# Altium PCB Copy of STM32F103_扩展板.PcbDoc
Units mil, origin at the board's own origin, x right, y up, seen from the top; angles counter-clockwise.
Board outline 6903.02 x 6528.03 mil, 2 copper layers (Top Layer, Bottom Layer); 143 components, 183 nets, 486 pads, 270 vias.
Unrouted connection lines stored in the file: 5.
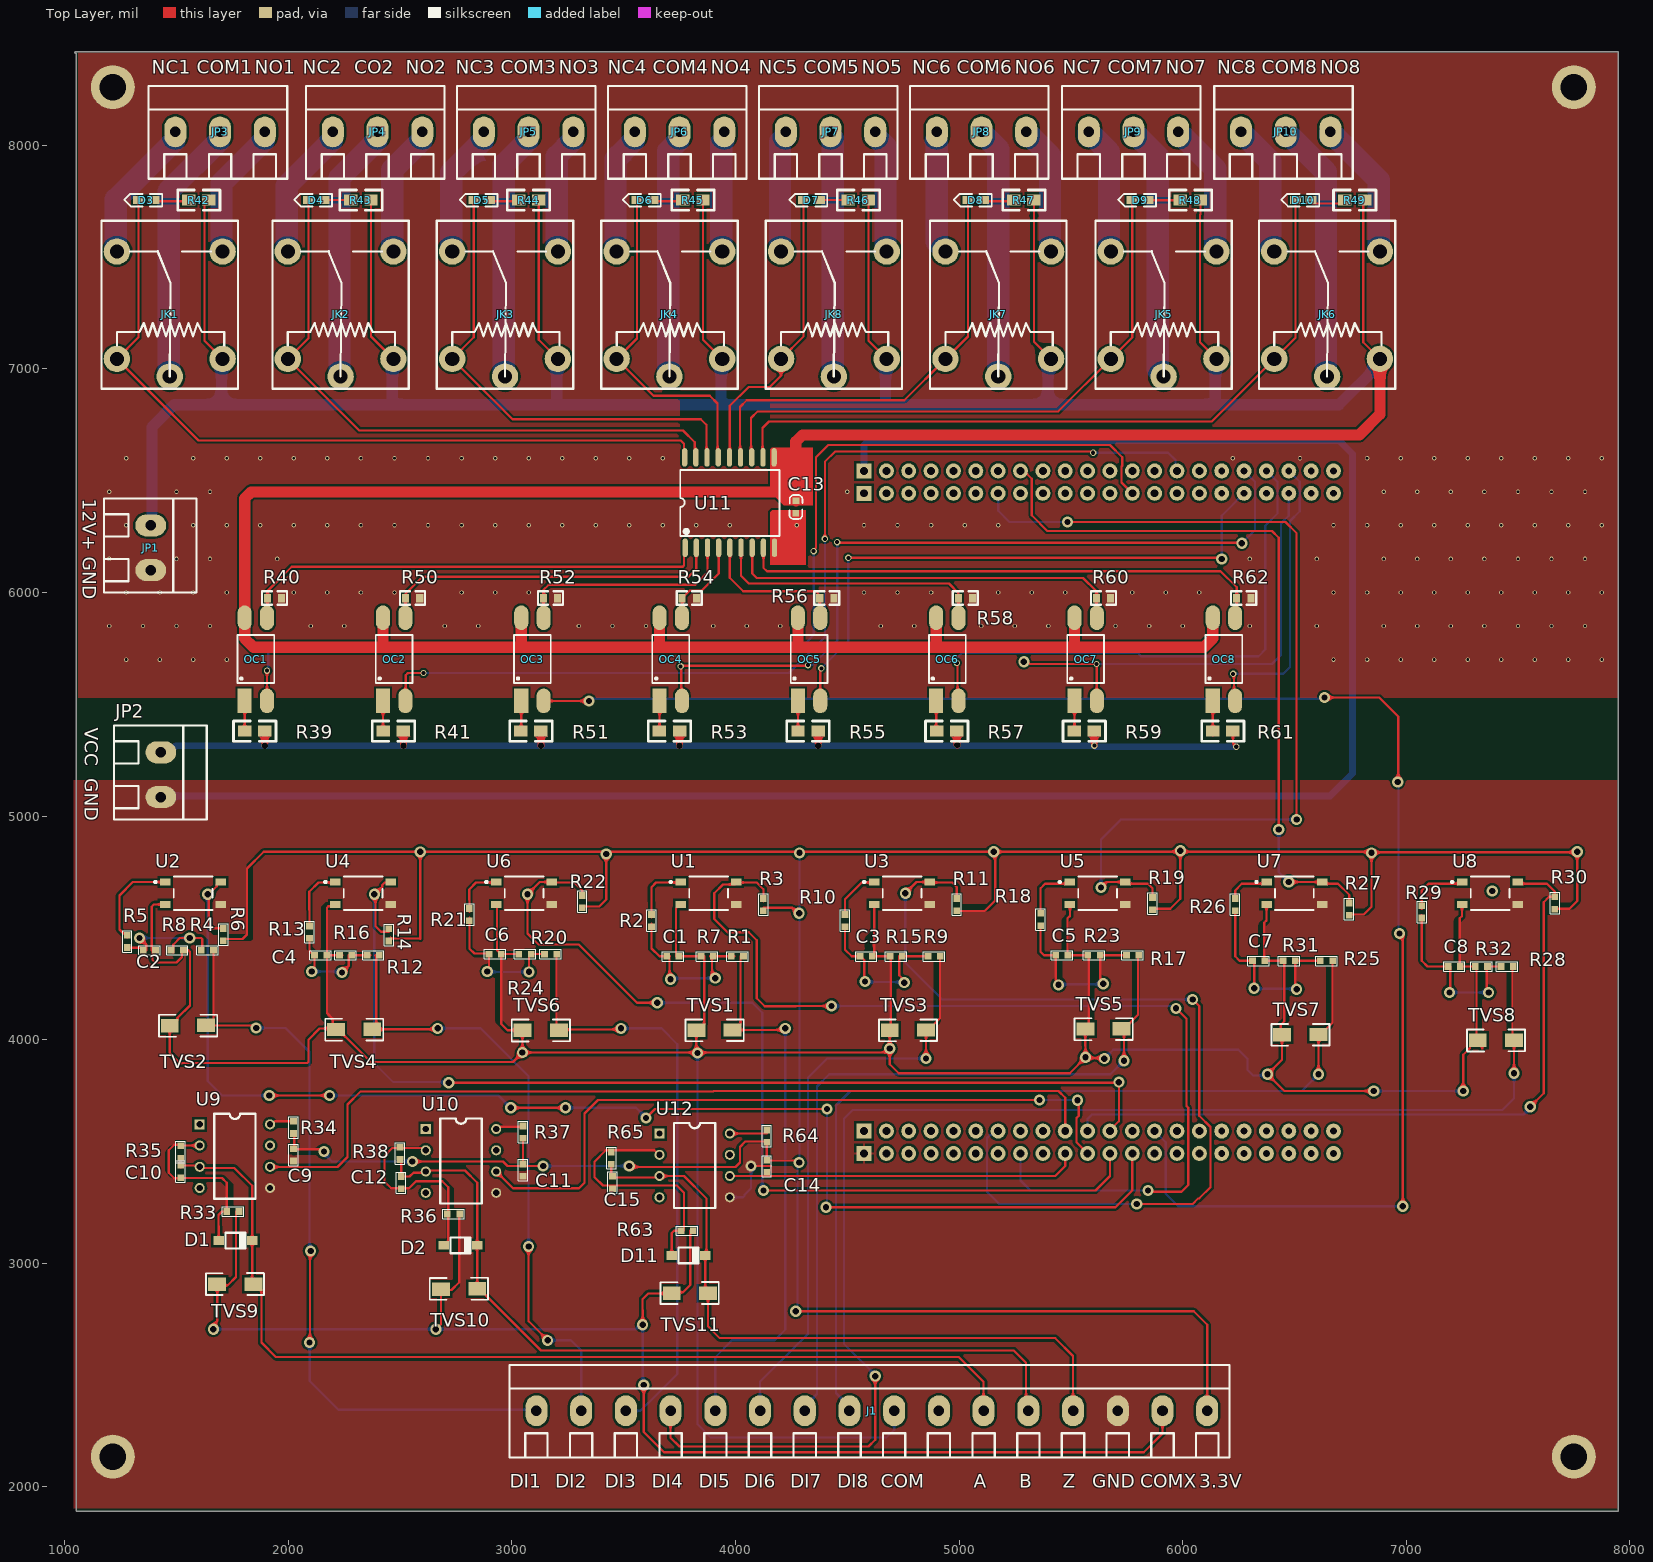
[diagram p0: Top Layer view]
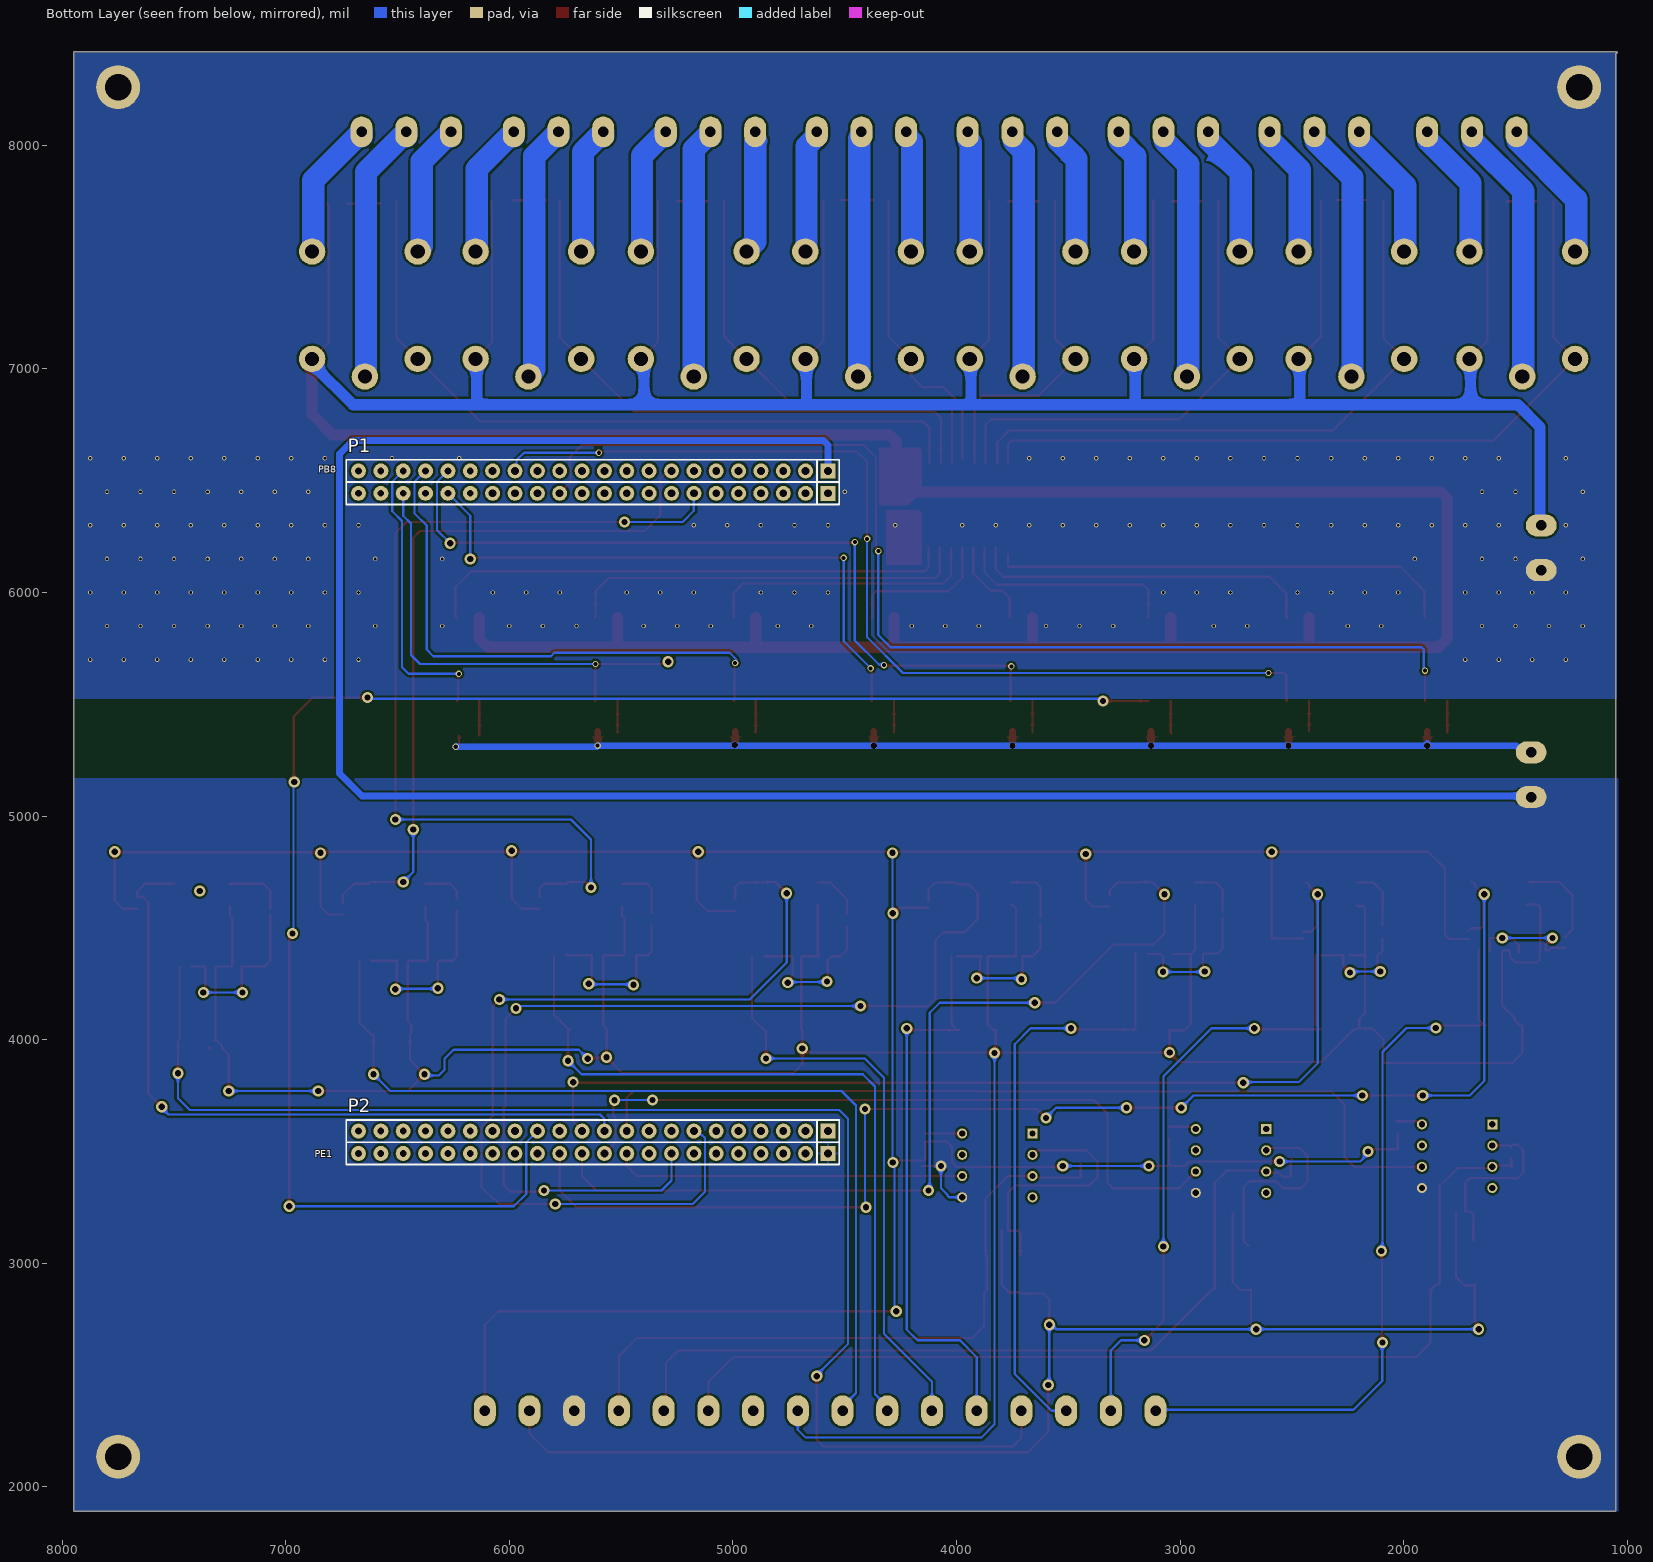
[diagram p1: Bottom Layer view, seen from below]

## Layer stack, top to bottom
Top Solder: solder mask 0.4, Solder Resist, Dk 3.5
Top Layer: signal copper 1.4
Dielectric 1: dielectric 12.6, FR-4, Dk 4.8
Bottom Layer: signal copper 1.4
Bottom Solder: solder mask 0.4, Solder Resist, Dk 3.5

## Board outline
1050.98,1895 1050.98,8410.98 1050,8410.98 cw(c1050,8415) 1050,8419.01 1055.07,8419.01 7945,8419.01 cw(c7945,8415) 7949.01,8415 7949.02,1895 cw(c7945,1895) 7945,1890.98 1055,1890.98 cw(c1055,1895)

## Design rules (kind name [scope] priority, off if disabled: settings)
Clearance Clearance_1 [InPolygon] p1 off: gap=0 ignorepadtopadclearanceinfootprint=FALSE
Clearance HV [InNamedPolygon('Bottom Layer-TOP')] p2 off: gap=10 ignorepadtopadclearanceinfootprint=FALSE except(0: Arc-Hole Track-Hole SMDPad-Hole THPad-Hole Via-Hole Fill-Hole Poly-Hole Region-Hole Text-Hole)
Clearance [All] p3: gap=10 ignorepadtopadclearanceinfootprint=FALSE except(0: Arc-Hole Track-Hole SMDPad-Hole THPad-Hole Via-Hole Fill-Hole Poly-Hole Region-Hole Text-Hole; 6: Arc-SMDPad Track-SMDPad SMDPad-SMDPad)
HoleSize [All] p1: absolutevalues=TRUE maxlimit=248.03 minlimit=7.87 maxpercent=80.000 minpercent=20.000
MinimumSolderMaskSliver [All] p1: minsoldermaskwidth=8
PolygonConnect [HasFootprint('HDR2.54-F-44P')] p1: connectstyle=Relief reliefconductorwidth=10 reliefentries=4 polygonreliefangle="90 Angle" airgapwidth=10
PolygonConnect PolygonConnect_2 [All vs IsNamedPolygon('Top Layer-UP')] p2: connectstyle=Direct reliefconductorwidth=10 reliefentries=4 polygonreliefangle="90 Angle" airgapwidth=10
PolygonConnect 01 [All vs IsNamedPolygon('Top Layer-DOWN')] p3 off: thpad.connectstyle=Relief thpad.reliefconductorwidth=10 thpad.reliefentries=4 thpad.polygonreliefangle="90 Angle" thpad.airgapwidth=10 smdpad.connectstyle=Relief smdpad.reliefconductorwidth=10 smdpad.reliefentries=4 smdpad.polygonreliefangle="90 Angle" smdpad.airgapwidth=10 via.connectstyle=Direct via.reliefconductorwidth=10 via.reliefentries=4 via.polygonreliefangle="90 Angle" via.airgapwidth=10
RoutingVias [All] p1: holewidth=28 width=50 viastyle="Through Hole" minholewidth=28 minwidth=50 maxholewidth=28 maxwidth=50
SilkToSilkClearance [All] p1: silktosilkclearance=0
SilkToSolderMaskClearance [IsPad] p1: minsilkscreentomaskgap=0 clearancetoexposedcopper=TRUE
SolderMaskExpansion [All] p1: expansion=4 istentingtop=FALSE
UnRoutedNet [All] p1: checkbadconnections=TRUE
Width [All] p1: maxlimit=500 minlimit=10 preferedwidth=10
25 further rules are at their usual default settings.

## Classes and differential pairs
component class Designator: C13 D3 D4 D5 D6 D7 D8 D9 D10 JK1 JK2 JK3 JK4 JK5 JK6 JK7 JK8 JP1 JP2 JP3 JP4 JP5 JP6 JP7 JP8 JP9 JP10 OC1 OC2 OC3 OC4 OC5 OC6 OC7 OC8 P? R39 R40 R41 R42 R43 R44 R45 R46 R47 R48 R49 R50 R51 R52 R53 R54 R55 R56 R57 R58 R59 R60 R61 R62 U11

## Components (designator, comment, footprint, x,y, rotation, side; value= is the part's Value field where it differs from the comment)
C1 "104" 0603_R 3720,4372.47 r0 top
C2 "104" 0603_R 1378.41,4400 r0 top
C3 "104" 0603_R 4585,4372.47 r0 top
C4 "104" 0603_R 2145,4377.47 r0 top
C5 "104" 0603_R 5460,4377.47 r0 top
C6 "104" 0603_R 2925,4382.47 r0 top
C7 "104" 0603_R 6340,4352.47 r0 top
C8 "104" 0603_R 7215,4327.47 r0 top
C9 "104" 0603_R 2023.71,3485.07 r270 top
C10 "102" 0603_R 1518.71,3410.07 r90 top
C11 "104" 0603_R 3050,3416.22 r270 top
C12 "102" 0603_R 2505,3360 r90 top
C13 "100nF" 0603C 4269.65,6354.79 r90 top value=104
C14 "104" 0603_R 4140,3433.78 r270 top
C15 "102" 0603_R 3450,3361.22 r90 top
D1 "DIODE" SOD-123 1763.71,3101.29 r180 top
D2 "DIODE" SOD-123 2770,3080 r180 top
D3 "LED" LED-0603G 1400,7755 r180 top
D4 "LED" LED-0603G 2160,7755 r180 top
D5 "LED" LED-0603G 2900,7755 r180 top
D6 "LED" LED-0603G 3630,7755 r180 top
D7 "LED" LED-0603G 4375,7755 r180 top
D8 "LED" LED-0603G 5110,7755 r180 top
D9 "LED" LED-0603G 5845,7755 r180 top
D10 "LED" LED-0603G 6575,7755 r180 top
D11 "DIODE" SOD-123 3790,3035 r180 top
J1 "PIN16" KF128-5.08-16P 4610,2340 r0 top locked
JK1 "SRD-05VDC-SL-C" SRD-C_B 1233.66,7044.69 r90 top
JK2 "SRD-05VDC-SL-C" SRD-C_B 1997.92,7044.69 r90 top
JK3 "SRD-05VDC-SL-C" SRD-C_B 2733.28,7044.69 r90 top
JK4 "SRD-05VDC-SL-C" SRD-C_B 3468.64,7044.69 r90 top
JK5 "SRD-05VDC-SL-C" SRD-C_B 5678.96,7044.69 r90 top
JK6 "SRD-05VDC-SL-C" SRD-C_B 6410.08,7044.69 r90 top
JK7 "SRD-05VDC-SL-C" SRD-C_B 4939.36,7044.69 r90 top
JK8 "SRD-05VDC-SL-C" SRD-C_B 4204,7044.69 r90 top
JP1 "HF9500*2" KF128-5.08-2P 1385,6300 r270 top
JP2 "HF9500*2" KF128-5.08-2P 1430,5285 r270 top
JP3 "KF128-5.08-3P" KF128-5.08-3P 1495,8060 r0 top
JP4 "KF128-5.08-3P" KF128-5.08-3P 2199.26,8060 r0 top
JP5 "KF128-5.08-3P" KF128-5.08-3P 2874.62,8060 r0 top
JP6 "KF128-5.08-3P" KF128-5.08-3P 3549.98,8060 r0 top
JP7 "KF128-5.08-3P" KF128-5.08-3P 4225.34,8060 r0 top
JP8 "KF128-5.08-3P" KF128-5.08-3P 4900.7,8060 r0 top
JP9 "KF128-5.08-3P" KF128-5.08-3P 5580.3,8060 r0 top
JP10 "KF128-5.08-3P" KF128-5.08-3P 6261.18,8060 r0 top
OC1 "EL817A" SMD_PC817 1805,5515 r90 top
OC2 "EL817A" SMD_PC817 2423.57,5515 r90 top
OC3 "EL817A" SMD_PC817 3042.14,5515 r90 top
OC4 "EL817A" SMD_PC817 3660.71,5515 r90 top
OC5 "EL817A" SMD_PC817 4279.29,5515 r90 top
OC6 "EL817A" SMD_PC817 4897.86,5515 r90 top
OC7 "EL817A" SMD_PC817 5516.43,5515 r90 top
OC8 "EL817A" SMD_PC817 6135,5515 r90 top
P1 "H22x2" HDR2.54-F-44P 4525,6593.74 r0 bottom
P2 "H22x2" HDR2.54-F-44P 4525,3640.98 r0 bottom locked
R1 "2K" 0603_R 4008.78,4372.47 r180 top
R2 "510" 0603_R 3625,4532.47 r90 top
R3 "10K" 0603_R 4125,4603.69 r90 top
R4 "2K" 0603_R 1638.41,4400 r180 top
R5 "510" 0603_R 1279.63,4440 r90 top
R6 "10K" 0603_R 1709.63,4470 r90 top
R7 "10K" 0603_R 3873.78,4372.47 r0 top
R8 "10K" 0603_R 1503.41,4400 r180 top
R9 "2K" 0603_R 4888.78,4372.47 r180 top
R10 "510" 0603_R 4490,4532.47 r90 top
R11 "10K" 0603_R 4990,4603.69 r90 top
R12 "2K" 0603_R 2380,4377.47 r180 top
R13 "510" 0603_R 2095,4481.25 r90 top
R14 "10K" 0603_R 2450,4468.69 r90 top
R15 "10K" 0603_R 4718.78,4372.47 r0 top
R16 "10K" 0603_R 2256.22,4377.47 r0 top
R17 "2K" 0603_R 5776.22,4377.47 r180 top
R18 "510" 0603_R 5365,4537.47 r90 top
R19 "10K" 0603_R 5865,4608.69 r90 top
R20 "2K" 0603_R 3173.78,4382.47 r180 top
R21 "510" 0603_R 2810,4558.69 r90 top
R22 "10K" 0603_R 3315,4617.47 r90 top
R23 "10K" 0603_R 5603.78,4377.47 r0 top
R24 "10K" 0603_R 3058.78,4382.47 r0 top
R25 "2K" 0603_R 6643.78,4352.47 r180 top
R26 "510" 0603_R 6235,4603.69 r90 top
R27 "10K" 0603_R 6745,4583.69 r90 top
R28 "2K" 0603_R 7451.22,4327.47 r180 top
R29 "510" 0603_R 7070,4571.25 r90 top
R30 "10K" 0603_R 7665,4611.25 r90 top
R31 "10K" 0603_R 6476.22,4352.47 r0 top
R32 "10K" 0603_R 7336.22,4327.47 r0 top
R33 "2K" 0603_R 1752.49,3231.29 r0 top
R34 "470" 0603_R 2023.71,3607.51 r90 top
R35 "2K" 0603_R 1518.71,3497.51 r90 top
R36 "2K" 0603_R 2738.78,3220 r0 top
R37 "470" 0603_R 3050,3586.22 r90 top
R38 "2K" 0603_R 2500,3491.22 r90 top
R39 "500R" 0805R 1795,5380 r0 top value=1K
R40 "4.7K" 0603R 1907.01,5975 r0 top value=1K
R41 "500R" 0805R 2415,5380 r0 top value=1K
R42 "680R" 0805R 1655,7755 r180 top value=1K
R43 "680R" 0805R 2380,7755 r180 top value=1K
R44 "680R" 0805R 3130,7755 r180 top value=1K
R45 "680R" 0805R 3865,7755 r180 top value=1K
R46 "680R" 0805R 4605,7755 r180 top value=1K
R47 "680R" 0805R 5345,7755 r180 top value=1K
R48 "680R" 0805R 6090,7755 r180 top value=1K
R49 "680R" 0805R 6825,7755 r180 top value=1K
R50 "4.7K" 0603R 2525,5975 r0 top value=1K
R51 "500R" 0805R 3030,5380 r0 top value=1K
R52 "4.7K" 0603R 3142.01,5975 r0 top value=1K
R53 "500R" 0805R 3650,5380 r0 top value=1K
R54 "4.7K" 0603R 3762.01,5975 r0 top value=1K
R55 "500R" 0805R 4270,5380 r0 top value=1K
R56 "4.7K" 0603R 4377.01,5975 r0 top value=1K
R57 "500R" 0805R 4890,5380 r0 top value=1K
R58 "4.7K" 0603R 4997.01,5975 r0 top value=1K
R59 "500R" 0805R 5505,5380 r0 top value=1K
R60 "4.7K" 0603R 5615,5975 r0 top value=1K
R61 "500R" 0805R 6125,5380 r0 top value=1K
R62 "4.7K" 0603R 6242.01,5975 r0 top value=1K
R63 "2K" 0603_R 3783.78,3145 r0 top
R64 "470" 0603_R 4140,3568.78 r90 top
R65 "2K" 0603_R 3445,3470 r90 top
TVS1 "" TVS 4037,3993.47 r180 top
TVS2 "" TVS 1682,4014 r180 top
TVS3 "" TVS 4902,3993.47 r180 top
TVS4 "" TVS 2424.93,3996.47 r180 top
TVS5 "" TVS 5777,3998.47 r180 top
TVS6 "" TVS 3259.56,3992.96 r180 top
TVS7 "" TVS 6657,3973.47 r180 top
TVS8 "" TVS 7532,3948.47 r180 top
TVS9 "" TVS 1631.71,2955.29 r0 top
TVS10 "" TVS 2633,2934 r0 top
TVS11 "" TVS 3665.44,2914.51 r0 top
U1 "TLP181(GB)" FP-11-4C1-MFG 3880,4655 r0 top
U2 "TLP181(GB)" FP-11-4C1-MFG 1574.63,4655 r0 top
U3 "TLP181(GB)" FP-11-4C1-MFG 4745,4655 r0 top
U4 "TLP181(GB)" FP-11-4C1-MFG 2335,4655 r0 top
U5 "TLP181(GB)" FP-11-4C1-MFG 5620,4655 r0 top
U6 "TLP181(GB)" FP-11-4C1-MFG 3055,4655 r0 top
U7 "TLP181(GB)" FP-11-4C1-MFG 6500,4655 r0 top
U8 "TLP181(GB)" FP-11-4C1-MFG 7375,4655 r0 top
U9 "PS8601" DIP8_8601 1603.71,3621.29 r0 top
U10 "PS8601" DIP8_8601 2615,3600 r0 top
U11 "ULN2803A" "SOP18 - 300mil" 3775,6198.19 r90 top
U12 "PS8601" DIP8_8601 3660,3580 r0 top

## Footprints (in the part's own frame and the unit in brackets; to place one, negate y for a bottom-side part, rotate by r counter-clockwise, add the part's x,y. Pads: shape width x height; smd on the part's side, far side on the other; paste and mask are expansions set on the pad)
0603_R [mil]
  rect 30x30 smd: 1(-27.5,0) 2(27.5,0)
  silkscreen extent -48,-21 48,21, body extent -35,-15 35,15, height 24
0603C [mil]
  rect 30x30 smd: 1(0.21,-0.35) 2(55.21,-1.35)
  silkscreen extent -26,-30 81,28, body extent -1,-15 62,17, height 12
0603R [mm]
  rect 0.8x0.965 smd: 1(0,0) 2(1.6,0)
  silkscreen extent -0.64,-0.76 2.21,0.76, body extent -0.04,-0.41 1.56,0.41, height 0.45
0805R [mil]
  rect 60x50 smd: 1(10,0) 2(100,0)
  silkscreen extent -40,-45 150,45, body extent 11,-25 90,25, height 15
DIP8_8601 [mil]
  rect 45x45 hole 28: 1(0,0)
  round 45 hole 28: 2(0,-95) 3(0,-190) 4(0,-285) 5(315,-285) 6(315,-190) 7(315,-95) 8(315,0)
  silkscreen extent 65,-332 250,48
FP-11-4C1-MFG [mm]
  rect 1.2x0.8 smd paste+0 mask+0: 1(-3.15,1.27) 3(-3.15,-1.27) 4(3.15,-1.27) 6(3.15,1.27)
  silkscreen extent -4.42,-1.9 2.2,1.9, body extent -3.85,-2 3.85,2, height 0.25
HDR2.54-F-44P [mm]
  rect 1.7x1.7 hole 0.9: 1(1.27,3.81) 44(1.27,1.27)
  round 1.7 hole 0.9: 2(3.81,3.81) 3(6.35,3.81) 4(8.89,3.81) 5(11.43,3.81) 6(13.97,3.81) 7(16.51,3.81) 8(19.05,3.81) 9(21.59,3.81) 10(24.13,3.81) 11(26.67,3.81) 12(29.21,3.81) 13(31.75,3.81) 14(34.29,3.81) 15(36.83,3.81) 16(39.37,3.81) 29(39.37,1.27) 30(36.83,1.27) 31(34.29,1.27) 32(31.75,1.27) 33(29.21,1.27) 34(26.67,1.27) 35(24.13,1.27) 36(21.59,1.27) 37(19.05,1.27) 38(16.51,1.27) 39(13.97,1.27) 40(11.43,1.27) 41(8.89,1.27) 42(6.35,1.27) 43(3.81,1.27)
  round 1.7 hole 0.762: 17(41.91,3.81) 18(44.45,3.81) 19(46.99,3.81) 20(49.53,3.81) 21(52.07,3.81) 22(54.61,3.81) 23(54.61,1.27) 24(52.07,1.27) 25(49.53,1.27) 26(46.99,1.27) 27(44.45,1.27) 28(41.91,1.27)
  silkscreen extent 0,0 56.01,5.08, body extent 0,0 55.88,5.08, height 8.5
KF128-5.08-2P [mm] "螺钉式接线端子，脚距5.08mm"
  oval 2.5x3.5 hole 1.2: 1(0,0) 2(5.08,0)
  silkscreen extent -3.05,-5.31 7.62,5.21, body extent -3.05,-5.38 7.61,5.12, height 14.15
KF128-5.08-3P [mm] "螺钉式接线端子，脚距5.08mm"
  oval 2.5x3.5 hole 1.2: 1(0,0) 2(5.08,0) 3(10.16,0)
  silkscreen extent -3.05,-5.31 12.7,5.21, body extent -3.05,-5.38 12.69,5.12, height 14.15
KF128-5.08-16P [mm] "螺钉式接线端子，脚距5.08mm"
  oval 2.5x3.5 hole 1.2: 1(-38.1,0) 2(-33.02,0) 3(-27.94,0) 4(-22.86,0) 5(-17.78,0) 6(-12.7,0) 7(-7.62,0) 8(-2.54,0) 9(2.54,0) 10(7.62,0) 11(12.7,0) 12(17.78,0) 13(22.86,0) 14(27.94,0) 15(33.02,0) 16(38.1,0)
  silkscreen extent -41.15,-5.31 40.64,5.21, body extent -41.14,-5.3 40.64,5.2, height 14.15
LED-0603G [mil]
  rect 50x35 smd: 1(0,0.26) 2(70,0.26)
  silkscreen extent -36,-28 134,28, body extent 4,-15 66,17, height 24
SMD_PC817 [mm]
  rect 2.8x1.6 smd mask+0: 1(0,0)
  oval 2.8x1.6 smd mask+0: 2(0,-2.54) 3(9.452,-2.54) 4(9.452,0)
  silkscreen extent 2.03,-3.36 7.49,0.82, body extent -0.3,-3.56 9.7,1.02, height 3.85
SOD-123 [mm]
  rect 1.2x1 smd: 1(1.905,0) 2(-1.905,0)
  silkscreen extent -1.14,-0.89 1.14,0.89
"SOP18 - 300mil" [mm]
  oval 2.1x0.6 smd: 1(0.046,0) 2(0.046,-1.27) 3(0.046,-2.54) 4(0.046,-3.81) 5(0.046,-5.08) 6(0.046,-6.35) 7(0.046,-7.62) 8(0.046,-8.89) 9(0.046,-10.16) 10(10.317,-10.109) 11(10.317,-8.839) 12(10.317,-7.569) 13(10.317,-6.299) 14(10.317,-5.029) 15(10.317,-3.759) 16(10.317,-2.489) 17(10.317,-1.219) 18(10.317,0.051)
  silkscreen extent 1.4,-10.72 8.9,0.56
SRD-C_B [mm] "单刀双投"
  round 3 hole 1.6: 1(0,0) 2(0,-12) 3(-2,-6) 4(12.2,0) 5(12.2,-12)
  silkscreen extent -3.4,-13.75 15.7,1.75, body extent -3.33,-13.85 15.77,1.65, height 15.6
TVS [mil]
  rect 80x60 smd: 1(212,-49) 2(49.56,-49.51)
  silkscreen extent 0,-97 260,1

## Part data
C1 C2 C3 C4 C5 C6 C7 C8 C9 C10 C11 C12 C13 C14 C15: library part CAP, "Capacitor"
  C13: LatestRevisionDate=17-Jul-2002, LatestRevisionNote="Re-released for DXP Platform.", PackageReference=RAD-0.3, Published=8-Jun-2000, Publisher="Altium Limited"
D1 D2 D11: "Diode"
D3 D4 D5 D6 D7 D8 D9 D10: "LED 发光二极管"
JK1 JK2 JK3 JK4 JK5 JK6 JK7 JK8: "5V一组转换"
JP1 JP2: library part "HEADER 2"
JP3 JP4 JP5 JP6 JP7 JP8 JP9 JP10: library part "HEADER 3"
OC1 OC2 OC3 OC4 OC5 OC6 OC7 OC8: library part EL357N, "线性光耦"
R1 R2 R3 R4 R5 R6 R7 R8 R9 R10 R11 R12 R13 R14 R15 R16 R17 R18 R19 R20 R21 R22 R23 R24 R25 R26 R27 R28 R29 R30 R31 R32 R33 R34 R35 R36 R37 R38 R63 R64 R65: library part RES1
R39 R40 R41 R42 R43 R44 R45 R46 R47 R48 R49 R50 R51 R52 R53 R54 R55 R56 R57 R58 R59 R60 R61 R62: library part RES, "Resistor", Published=8-Jun-2000, Publisher="Altium Limited", Revision="July-2002: Re-released for DXP Platform."
TVS1 TVS2 TVS3 TVS4 TVS5 TVS6 TVS7 TVS8 TVS9 TVS10 TVS11: library part TVS
U1 U2 U3 U4 U5 U6 U7 U8: library part CMP-35887-000008-1, "OPTOCOUPLER TRANS 3.75KVRMS 6SO", Collector Emitter Voltage=80V, Emiiter Collector Voltage=7V, Forward Current=10mA, Forward Voltage=1.15V, Isolation Voltage=3750Vrms, Manufacturer=Toshiba, Max Current Transfer Ratio=600%, Max Junction Temp=+125°C, Max Supply Voltage=48V, Min Current Transfer Ratio=100%, Package=11-4C1, Power Dissipation=200mW, Reverse Voltage=5V, Temperature="-55°C to +110°C", Temperature Range High=+110°C, Temperature Range Low=-55°C, Automotive=No, Category=Trans, ComponentLink2Description=Datasheet, ComponentLink2URL=https://toshiba.semicon-storage.com/info/docget.jsp?did=16749&prodName=TLP181, Device Class L1=Optoelectronics, Device Class L2=Optocouplers, Device Class L3=unset, Footprint Url=https://toshiba.semicon-storage.com/eu/design-support/package/detail.4pin%20MFSOP6.html, Height=2.8mm, Ipc Land Pattern Name=SOP254P700X260-4, Lead Free=Yes, Manufacturer Part Number=TLP181(GB), Octopart=https://octopart.com/tlp181gb-toshiba-8180795, RoHS=TRUE, Standoff Height=0.1mm, Turn Off Delay Time=3us, Turn On Delay Time=3us
U9 U10 U12: "High speed optocoupler"
U11: "8 channels Darlington"

## Free pads (board coordinates)
  round 196.85 hole 118.11 paste+0 mask+0: 5(1215,2135) 5(1215,8260) 5(7750,2135) 5(7750,8260)

## Via types
v1: diameter 19.68, hole 11.81, Top Layer to Bottom Layer, 156 vias
v2: diameter 50, hole 28, Top Layer to Bottom Layer, 93 vias
v3: diameter 28, hole 18, Top Layer to Bottom Layer, 13 vias
v4: diameter 28, hole 28, Top Layer to Bottom Layer, 6 vias
v5: diameter 30, hole 18, Top Layer to Bottom Layer, 2 vias

## Nets (pads, with @x,y where several pads share a name; then routed paths per layer and width w, separated by ;. In a path a pad name is that pad's centre, name@x,y a point inside that pad or via, vN(x,y) a via of type N, cw(c..) or ccw(c..) an arc to the next point about the centre after c; other vN are vias at no path point)
+3V3: C9.1 C11.1 C14.1 J1.16 R3.1 R6.1 R11.1 R14.1 R19.1 R22.1 R27.1 R30.1 R34.1 R37.1 R64.1 | length 15835
  Top Layer w10: R6.1@1709.6,4450 1795,4450 1815,4470 1815,4765 1890,4840 v2(5155,4840) v2@5162,4840 ; R34.1 2026.34,3577.39 2026.34,3515.18 C9.1 2026.72,3509.56 2139.61,3509.56 2149.18,3500 v2(2160,3500) ; R14.1@2450,4454.92 2450,4453.34 2450.91,4452.43 2587.88,4452.43 2590.37,4449.95 v2(2590.37,4839.95) ; v2(2555,3455) 2960,3455 2980,3435 3041.29,3435 C11.1 ; R37.1 C11.1 ; v2(3140,3435) 3058.72,3435 C11.1 ; R22.1@3317.43,4595 3390,4595 3422,4627 v2(3422,4830.47) ; v2(3525,3435) 3530,3430 4000,3430 4020,3450 4020,3520 4043.93,3543.93 4137.35,3543.93 R64.1 ; R3.1@4125,4589.92 4253.35,4589.92 4278.26,4565 v2(4285,4565) ; R64.1@4140,3544.08 C14.1 ; C14.1@4140.91,3460.37 C14.1 ; v2(4270,2785) 6050,2785 6110,2725 J1.16 ; v2(4285,3450) 4274.18,3450 4264.18,3460 4141.28,3460 C14.1 ; R11.1@4989.66,4575 5115,4575 5162,4622 v2@5162,4840 ; R19.1@5868.23,4585 5945,4585 5990,4630 v2@5990,4840.47 ; v2(5990,4845) v2@5990,4840.47 ; R27.1@6746.11,4560 6810,4560 6845,4595 v2(6845,4835.47) 6847.26,4837.74 7762.74,4837.74 v2(7765,4840) 7765,4620 7730,4585 R30.1@7665.79,4585 ; v2@6845,4840.47 v2@5990,4840.47 ; v2@5162,4840 5162,4840.47 v2@5990,4840.47
  Bottom Layer w10: v2(2160,3500) 2160,3490 2195,3455 v2(2555,3455) ; v2(3140,3435) v2(3525,3435) ; v2(4270,2785) 4277.5,2792.5 v2@4277.5,3440.5 ; v2@4287,3450 v2(4287,4835.47)
+12_RELY: C13.2 JK1.2 JK2.2 JK3.2 JK4.2 JK5.2 JK6.2 JK7.2 JK8.2 JP1.1 OC1.4 OC2.4 OC3.4 OC4.4 OC5.4 OC6.4 OC7.4 OC8.4 R42.1 R43.1 R44.1 R45.1 R46.1 R47.1 R48.1 R49.1 U11.10 | length 25000.7
  Top Layer w10: R42.1@1625,7755 1625,7125.79 JK1.2 ; R43.1 2370,7145.04 JK2.2 ; R44.1 3120,7130.4 JK3.2 ; R45.1 3855,7130.76 JK4.2 ; R46.1 4595,7126.12 JK8.2 ; R47.1 5335,7121.48 JK7.2 ; R48.1 6080,7692.66 6077.34,7690 6077.34,7118.74 JK5.2 ; R49.1@6808.46,7736.73 R49.1@6808.46,7733.46 ; R49.1@6815,7740 R49.1@6808.46,7733.46 ; JK6.2 6808.46,7118.74 R49.1@6808.46,7733.46
  Top Layer w50: JP1.1 JP1.1@1404.69,6300 ; OC2.4 2423.57,5766.43 2435,5755 ; OC3.4 3042.14,5772.14 3025,5755 ; OC4.4 3660.71,5765.71 3650,5755 ; 4260,6625 4270,6635 4270,6675.71 4299.29,6705 6790,6705 6882.52,6797.52 JK6.2 ; C13.2 4231,6450 1834.29,6450 1805,6420.71 OC1.4 1805,5795 1845,5755 2435,5755 ; OC5.4 4279.29,5759.29 4275,5755 ; OC6.4 4897.86,5757.14 4900,5755 ; OC7.4 5516.43,5766.43 5505,5755 ; OC8.4 6135,5795 6095,5755 5505,5755 ; 2435,5755 3025,5755 ; 3025,5755 3650,5755 ; 3650,5755 4275,5755 ; 4275,5755 4900,5755 ; 4900,5755 5505,5755
  Bottom Layer w50: JP1.1@1390,6300 1390,6740 1490,6840 1701.1,6840 ; JK1.2@1701.1,7064.69 1701.1,6840 ; JK2.2@2465.36,7064.69 2465.36,6854.64 2480,6840 ; JK3.2@3200.72,7064.69 3200.72,6844.28 3205,6840 ; JK4.2@3936.08,7064.69 3936.08,6853.92 3950,6840 ; JK8.2@4671.44,7064.69 4671.44,6846.44 4665,6840 ; JK7.2@5397.5,7055.39 5397.5,6840 ; JK5.2@6146.4,7064.69 6146.4,6856.4 6130,6840 ; JK6.2@6877.52,7064.69 6877.52,7017.52 6700,6840 6130,6840 ; 1701.1,6840 2480,6840 ; 2480,6840 3205,6840 ; 3205,6840 3950,6840 ; 3950,6840 4665,6840 ; 4665,6840 5397.5,6840 ; 5397.5,6840 6130,6840
A: C10.2 D1.2 J1.11 R35.1 TVS9.1 U9.3 | length 4564.9
  Top Layer w10: R35.1 1519.01,3469.71 1519.01,3437.87 C10.2 ; C10.2@1519.01,3429.27 1519.01,3433.2 1511.7,3437.57 C10.2 ; TVS9.1 1838.71,2911.29 D1.2 1838.71,3346.29 1758.71,3426.29 1608.71,3426.29 1598.29,3436.71 1519.57,3436.71 C10.2 ; TVS9.1@1845,2905 1855,2905 1880,2880 1880,2645 1945,2580 5000,2580 5110,2470 J1.11